# Altium PCB STB_ValidationBoard.PcbDoc (part 2 of 4)
Units mm, origin at the board's own origin, x right, y up, seen from the top; angles counter-clockwise.
Board outline 154 x 150 mm, 4 copper layers (Top Layer, Int1 (Signal), Int2 (GND), Bottom Layer), stack 0.76 mm thick; 235 components, 88 nets, 1220 pads, 302 vias.
Unrouted connection lines stored in the file: 398.
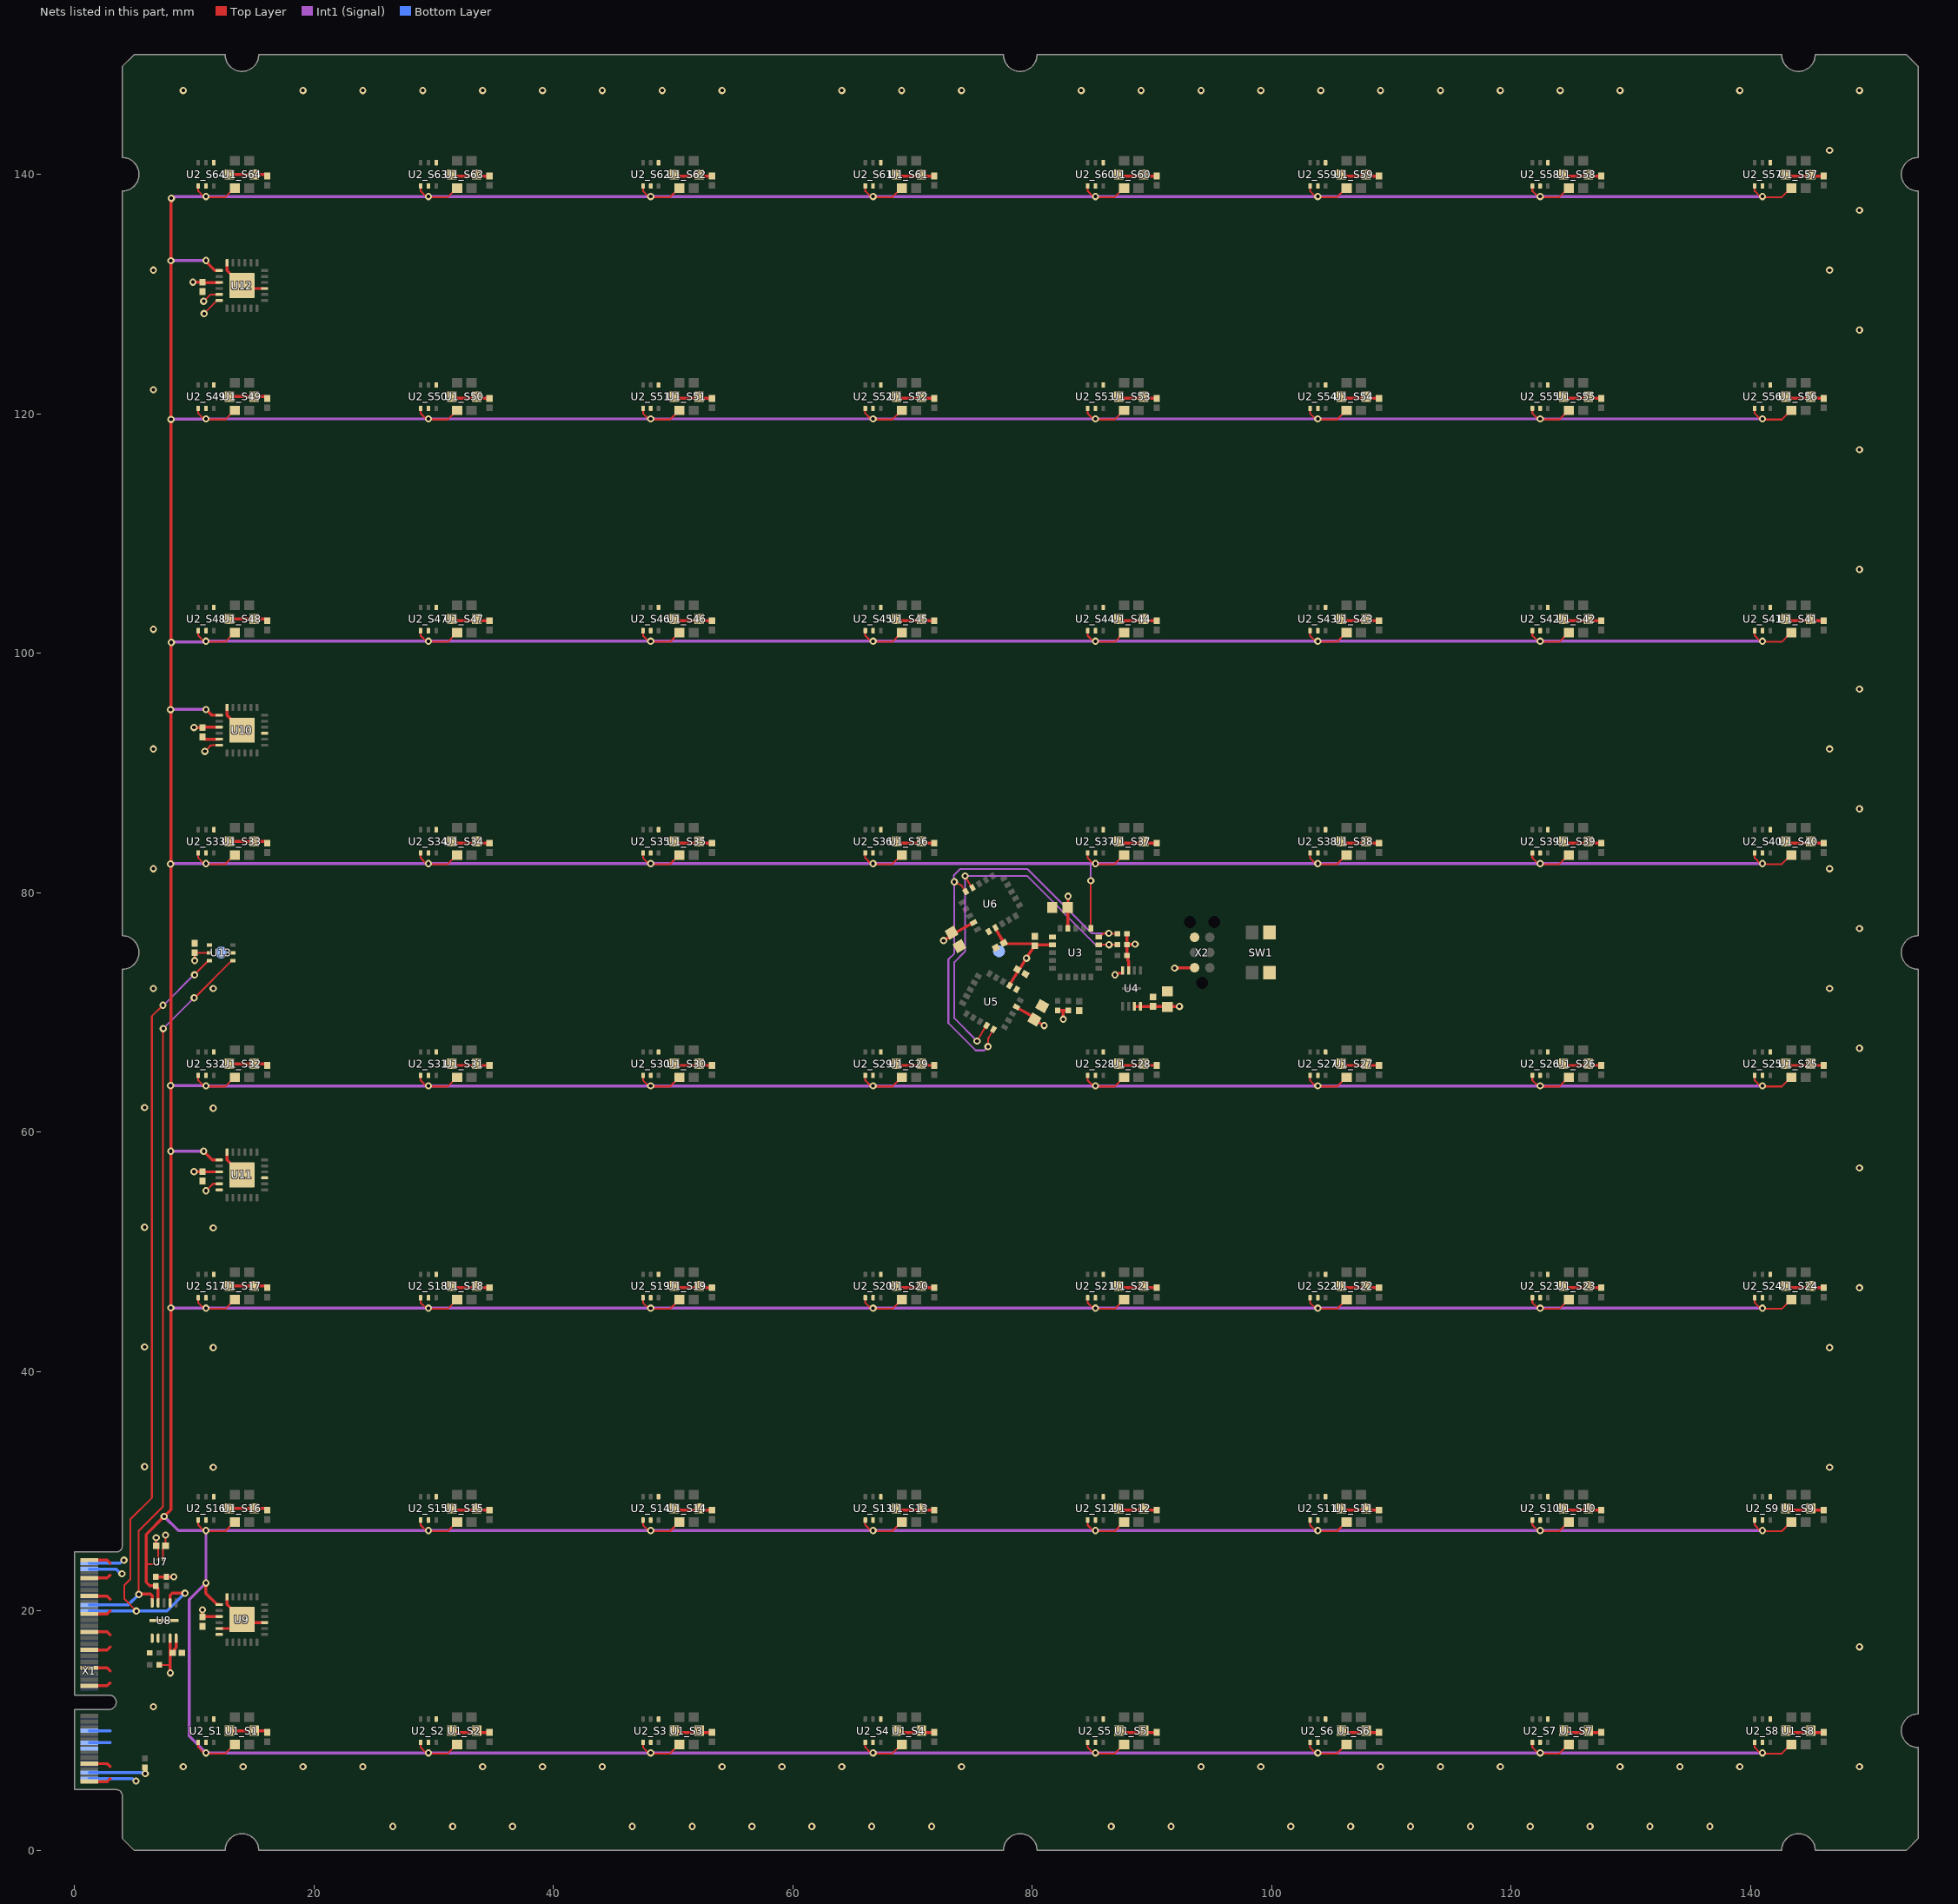
[diagram p4: the nets of this part, all layers, seen from the top]

## Part data
A1: library part CMP-00038-1
C1_S1 C1_S2 C1_S3 C1_S4 C1_S5 C1_S6 C1_S7 C1_S8 C1_S9 C1_S10 C1_S11 C1_S12 C1_S13 C1_S14 C1_S15 C1_S16 C1_S17 C1_S18 C1_S19 C1_S20 C1_S21 C1_S22 C1_S23 C1_S24 C1_S25 C1_S26 C1_S27 C1_S28 C1_S29 C1_S30 C1_S31 C1_S32 C1_S33 C1_S34 C1_S35 C1_S36 C1_S37 C1_S38 C1_S39 C1_S40 C1_S41 C1_S42 C1_S43 C1_S44 C1_S45 C1_S46 C1_S47 C1_S48 C1_S49 C1_S50 C1_S51 C1_S52 C1_S53 C1_S54 C1_S55 C1_S56 C1_S57 C1_S58 C1_S59 C1_S60 C1_S61 C1_S62 C1_S63 C1_S64 C3 C5 C7 C9 C10 C11 C12 C13 C14 C15 C16 C17: library part CMP-2000-05439-1, "Chip Capacitor, 100 nF, +/- 10%, 16 V, -55 to 125 degC, 0402 (1005 Metric), RoHS, Tape and Reel", Capacitor Type=Ceramic, Case Size/Dimension=0402, Dielectric=X7R, Manufacturer="Samsung Electro-Mechanics", Manufacturer Part Number=CL05B104KO5NNNC, Max Operating Temperature=125°C, Min Operating Temperature=-55°C, Negative Tolerance=10%, Package Shape=Rectangular, Package Style=SMTMeter, Rated DC Voltage (URdc)=16V, Supplier Part Number 1=1276-1001-6-ND, Tolerance (%)=±10%, Category="Ceramic Capacitors", ComponentLink1Description=https://datasheet.ciiva.com:443/pdfs/VipMasterIC/IC/SEMS/SEMS-S-A0008384515/SEMS-S-A0008872921-1.pdf?src-supplier=IHS+Markit, ComponentLink1URL=https://datasheet.ciiva.com:443/pdfs/VipMasterIC/IC/SEMS/SEMS-S-A0008384515/SEMS-S-A0008872921-1.pdf?src-supplier=IHS+Markit, ComponentLink2Description=https://datasheet.ciiva.com/26920/getdatasheetpartid-359683-26920169.pdf?src-supplier=Verical, ComponentLink2URL=https://datasheet.ciiva.com/26920/getdatasheetpartid-359683-26920169.pdf?src-supplier=Verical, ComponentLink3Description=https://datasheet.ciiva.com/29198/458718-da-01-en-vs-kondensator-0402-29198423.pdf?src-supplier=Conrad, ComponentLink3URL=https://datasheet.ciiva.com/29198/458718-da-01-en-vs-kondensator-0402-29198423.pdf?src-supplier=Conrad, ComponentLink4Description=https://datasheet.ciiva.com/26309/mlcc-catalogdownload2013-eng-26309003.pdf?src-supplier=Distrelec, ComponentLink4URL=https://datasheet.ciiva.com/26309/mlcc-catalogdownload2013-eng-26309003.pdf?src-supplier=Distrelec, ComponentLink5Description=https://datasheet.ciiva.com/16208/cl05b104kq5nnnc-16208343.pdf?src-supplier=Future+Electronics, ComponentLink5URL=https://datasheet.ciiva.com/16208/cl05b104kq5nnnc-16208343.pdf?src-supplier=Future+Electronics, Datasheet URL=https://datasheet.ciiva.com/29198/458718-da-01-en-vs-kondensator-0402-29198423.pdf, Datasheet Version=Nov-10, Dielectric Material=Ceramic, Height=0.55mm, JESD-609 Code=e3, Length=1mm, Manufacturer URL=http://www.samsungsem.com/global/index.jsp, Mount="Surface Mount", Multilayer=Yes, Number of Pins=2, Packaging="Tape and Reel", Positive Tolerance=10%, Pricing 1="1=0.10000, 10=0.02400, 50=0.01300, 100=0.01050, 500=0.00752, 1000=0.00592, 2500=0.00538, 5000=0.00495 (USD)", Rated Voltage=16V, REACH SVHC=Yes, RoHS=Yes, RoHS Compliant=Yes, Size Code=0402, Stock 1=24854634, Supplier 1=Digi-Key, Temperature Characteristics Code=X7R, Terminal Finish=Nickel, Termination=Wraparound, Width=0.5mm
C2 C4 C6 C8: library part CMP-2006-02298-2, Capacitor Type=Ceramic, Manufacturer=Kemet, Manufacturer Part Number=C0603C105K4RACTU, Max Operating Temperature=125°C, Min Operating Temperature=-55°C, Negative Tolerance=10%, Package Shape=Rectangular, Package Style=SMTMeter, Rated DC Voltage (URdc)=16V, Supplier Part Number 1=399-C0603C105K4RAC7867DKR-ND, Temperature Characteristics Code=X7R, Category="Ceramic Capacitors", ComponentLink1Description=https://datasheet.ciiva.com:443/pdfs/VipMasterIC/IC/KEME/KEME-S-A0008991654/KEME-S-A0008991654-1.pdf?src-supplier=IHS+Markit, ComponentLink1URL=https://datasheet.ciiva.com:443/pdfs/VipMasterIC/IC/KEME/KEME-S-A0008991654/KEME-S-A0008991654-1.pdf?src-supplier=IHS+Markit, Dielectric Material=Ceramic, Height=0.8mm, JESD-609 Code=e3, Length=1.6mm, Mount="Surface Mount", Multilayer=Yes, Number of Pins=2, Packaging="Tape and Reel", Part Number=C0603C105K4RACTU, Positive Tolerance=10%, Pricing 1="1=0.10000, 10=0.07700, 50=0.04180, 100=0.03410, 500=0.02440, 1000=0.01916 (USD)", REACH SVHC=Yes, RoHS=Yes, RoHS Compliant=Yes, Size Code=0603, Stock 1=1549593, Supplier 1=Digi-Key, Terminal Finish=Nickel, Termination=Wraparound, Width=0.8mm
R1 R2 R3 R4 R5: library part CMP-2000-07588-1, "Chip Resistor, 10 KOhm, +/- 1%, 0.1 W, -55 to 155 degC, 0402 (1005 Metric), RoHS, Tape and Reel", Case Code (Imperial)=0402, Case Code (Metric)=1005, Manufacturer=Panasonic, Manufacturer Part Number=ERJ-2RKF1002X, Max Operating Temperature=155degC, Max Power Dissipation=100mW, Min Operating Temperature=-55degC, Package Description="2-Pin Surface Mount Device, Body 1 x 0.5 mm", Package Height=0.35mm, Package Length=1mm, Package Quantity=1, Package Reference=402, Package Shape=Rectangular, Package Style=SMTMeter, Package Width=0.5mm, Rated Temperature=70°C, Resistor Type="FIXED RESISTOR", Supplier Part Number 1=P10.0KLDKR-ND, Temperature Coefficient=100ppm\/degreesC, Tolerance=1%, Voltage Rating=50V, Case\/Package=0402, Category="Chip SMD Resistors", ComponentLink1Description=https://datasheet.ciiva.com:443/pdfs/VipMasterIC/IC/PANA/PANA-S-A0009889626/PANA-S-A0009889626-1.pdf?src-supplier=IHS+Markit, ComponentLink1URL=https://datasheet.ciiva.com:443/pdfs/VipMasterIC/IC/PANA/PANA-S-A0009889626/PANA-S-A0009889626-1.pdf?src-supplier=IHS+Markit, ComponentLink2Description=https://datasheet.ciiva.com/11821/0900766b80f80784-11821171.pdf?src-supplier=RSComponents, ComponentLink2URL=https://datasheet.ciiva.com/11821/0900766b80f80784-11821171.pdf?src-supplier=RSComponents, ComponentLink3Description=https://datasheet.ciiva.com/27055/1987020-27055643.pdf?src-supplier=Jameco, ComponentLink3URL=https://datasheet.ciiva.com/27055/1987020-27055643.pdf?src-supplier=Jameco, ComponentLink4Description=https://datasheet.ciiva.com/43467/1678782-43467402.pdf?src-supplier=Farnell, ComponentLink4URL=https://datasheet.ciiva.com/43467/1678782-43467402.pdf?src-supplier=Farnell, ComponentLink5Description=https://datasheet.ciiva.com/28514/1678782-28514185.pdf?src-supplier=Element14, ComponentLink5URL=https://datasheet.ciiva.com/28514/1678782-28514185.pdf?src-supplier=Element14, ComponentLink6Description=https://datasheet.ciiva.com/24023/aoa0000ce2-24023017.pdf?src-supplier=Mouser, ComponentLink6URL=https://datasheet.ciiva.com/24023/aoa0000ce2-24023017.pdf?src-supplier=Mouser, ComponentLink7Description=https://datasheet.ciiva.com/16782/70260748-16782590.pdf?src-supplier=Allied+Electronics, ComponentLink7URL=https://datasheet.ciiva.com/16782/70260748-16782590.pdf?src-supplier=Allied+Electronics, ComponentLink8Description=https://datasheet.ciiva.com/16786/70260748-16786734.pdf?src-supplier=Allied+Electronics, ComponentLink8URL=https://datasheet.ciiva.com/16786/70260748-16786734.pdf?src-supplier=Allied+Electronics, ComponentLink9Description=https://datasheet.ciiva.com/9194/aoa0000ce2-9194142.pdf?src-supplier=Avnet, ComponentLink9URL=https://datasheet.ciiva.com/9194/aoa0000ce2-9194142.pdf?src-supplier=Avnet, ComponentLink10Description=https://datasheet.ciiva.com/16199/aoa0000ce2-16199478.pdf?src-supplier=Future+Electronics, ComponentLink10URL=https://datasheet.ciiva.com/16199/aoa0000ce2-16199478.pdf?src-supplier=Future+Electronics, ComponentLink11Description=https://datasheet.ciiva.com/48531/aoa0000ce2-48531069.pdf?src-supplier=Avnet, ComponentLink11URL=https://datasheet.ciiva.com/48531/aoa0000ce2-48531069.pdf?src-supplier=Avnet, ComponentLink12Description=https://datasheet.ciiva.com/30201/aoa0000ce2-30201022.pdf?src-supplier=Onlinecomponents.com, ComponentLink12URL=https://datasheet.ciiva.com/30201/aoa0000ce2-30201022.pdf?src-supplier=Onlinecomponents.com, Composition=ThickFilm, Construction=Rectangular, Contact Plating=Tin, Datasheet URL=https://industrial.panasonic.com/cdbs/www-data/pdf/RDA0000/AOA0000C304.pdf, Datasheet Version=02/2017, Depth=0.5mm, Height=0.35mm, JESD-609 Code=e3, Lead Free=LeadFree, Length=1mm, Manufacturer URL=http://www.panasonic.com/, Military Standard=Not, Mount=SurfaceMount, Mounting Technology=SurfaceMount, Number of Pins=2, Number of Terminations=2, Packaging=TapeandReel, Power Rating=100mW, Pricing 1="1=0.10000, 10=0.03300, 100=0.01330, 1000=0.00599, 2500=0.00520, 5000=0.00429 (USD)", Radiation Hardening=No, Rated Power Dissipation (P)=100mW, REACH SVHC=NoSVHC, Reference Standard=AEC-Q200, RoHS=Yes, RoHS Compliant=Yes, RoHSCompliant=True, Size Code=0402, Stock 1=108, Supplier 1=Digi-Key, Technology="METAL GLAZE/THICK FILM", Terminal Finish=Nickel, Termination=SMD/SMT, Voltage Rating (DC)=50V, Width=0.02inch, Working Voltage=50V
R7 R8: library part CMP-1011-00586-2, Manufacturer="Yageo / Phycomp", Manufacturer Part Number=RC0402FR-074K7L, Max Operating Temperature=155°C, Min Operating Temperature=-55°C, Package Height=0.35mm, Package Length=1mm, Package Shape=Rectangular, Package Style=SMTMeter, Package Width=0.5mm, Rated Power Dissipation (P)=62.5mW, Rated Temperature=70°C, Resistor Type="FIXED RESISTOR", Supplier Part Number 1=311-4.7KLRDKR-ND, Temperature Coefficient=100ppm/°C, Tolerance=1%, Working Voltage=50V, Additional Feature="LASER TRIMMABLE", Category="Chip SMD Resistors", ComponentLink1Description=https://datasheet.ciiva.com:443/pdfs/VipMasterIC/IC/YAGO/YAGO-S-A0008145938/YAGO-S-A0008145938-1.pdf?src-supplier=IHS+Markit, ComponentLink1URL=https://datasheet.ciiva.com:443/pdfs/VipMasterIC/IC/YAGO/YAGO-S-A0008145938/YAGO-S-A0008145938-1.pdf?src-supplier=IHS+Markit, ComponentLink2Description=https://datasheet.ciiva.com/22661/1686128-22661342.pdf?src-supplier=Element14, ComponentLink2URL=https://datasheet.ciiva.com/22661/1686128-22661342.pdf?src-supplier=Element14, ComponentLink3Description=https://datasheet.ciiva.com/7850/1018594-7850022.pdf?src-supplier=Element14, ComponentLink3URL=https://datasheet.ciiva.com/7850/1018594-7850022.pdf?src-supplier=Element14, ComponentLink4Description=https://datasheet.ciiva.com/7850/1018594-7850023.pdf?src-supplier=Element14, ComponentLink4URL=https://datasheet.ciiva.com/7850/1018594-7850023.pdf?src-supplier=Element14, ComponentLink5Description=https://datasheet.ciiva.com/15215/getdatasheetpartid-328119-15215035.pdf?src-supplier=Verical, ComponentLink5URL=https://datasheet.ciiva.com/15215/getdatasheetpartid-328119-15215035.pdf?src-supplier=Verical, Construction=Chip, JESD-609 Code=e3, Mount="Surface Mount", Number of Pins=2, Packaging="Tape and Reel", Part Number=RC0402FR-074K7L, Pricing 1="1=0.10000, 10=0.01500, 100=0.00600, 1000=0.00267, 2500=0.00232, 5000=0.00192 (USD)", REACH SVHC=Yes, RoHS=Yes, RoHS Compliant=Yes, Size Code=0402, Stock 1=23638739, Supplier 1=Digi-Key, Technology="METAL GLAZE/THICK FILM", Terminal Finish=Nickel, Termination=Wraparound
R9: library part CMP-2002-01120-1, Manufacturer=Panasonic, Manufacturer Part Number=ERJ-2RKF9763X, Max Operating Temperature=155°C, Min Operating Temperature=-55°C, Package Height=0.35mm, Package Length=1mm, Package Shape=Rectangular, Package Style=SMTMeter, Package Width=0.5mm, Rated Power Dissipation (P)=100mW, Rated Temperature=70°C, Resistor Type="FIXED RESISTOR", Supplier Part Number 1=P976KLDKR-ND, Temperature Coefficient=100ppm/°C, Tolerance=1%, Working Voltage=50V, Category="Chip SMD Resistors", ComponentLink1Description=https://datasheet.ciiva.com:443/pdfs/VipMasterIC/IC/PANA/PANA-S-A0009889626/PANA-S-A0009889626-1.pdf?src-supplier=IHS+Markit, ComponentLink1URL=https://datasheet.ciiva.com:443/pdfs/VipMasterIC/IC/PANA/PANA-S-A0009889626/PANA-S-A0009889626-1.pdf?src-supplier=IHS+Markit, ComponentLink2Description=https://datasheet.ciiva.com/43467/1678782-43467581.pdf?src-supplier=Farnell, ComponentLink2URL=https://datasheet.ciiva.com/43467/1678782-43467581.pdf?src-supplier=Farnell, ComponentLink3Description=https://datasheet.ciiva.com/46372/1678782-46372911.pdf?src-supplier=Element14, ComponentLink3URL=https://datasheet.ciiva.com/46372/1678782-46372911.pdf?src-supplier=Element14, ComponentLink4Description=https://datasheet.ciiva.com/22668/1678782-22668415.pdf?src-supplier=Element14, ComponentLink4URL=https://datasheet.ciiva.com/22668/1678782-22668415.pdf?src-supplier=Element14, ComponentLink5Description=https://datasheet.ciiva.com/16758/70260748-16758903.pdf?src-supplier=Allied+Electronics, ComponentLink5URL=https://datasheet.ciiva.com/16758/70260748-16758903.pdf?src-supplier=Allied+Electronics, ComponentLink6Description=https://datasheet.ciiva.com/9179/aoa0000ce2-9179357.pdf?src-supplier=Avnet, ComponentLink6URL=https://datasheet.ciiva.com/9179/aoa0000ce2-9179357.pdf?src-supplier=Avnet, ComponentLink7Description=https://datasheet.ciiva.com/30176/aoa0000ce2-30176831.pdf?src-supplier=Onlinecomponents.com, ComponentLink7URL=https://datasheet.ciiva.com/30176/aoa0000ce2-30176831.pdf?src-supplier=Onlinecomponents.com, Construction=Rectangular, JESD-609 Code=e3, Mount="Surface Mount", Number of Pins=2, Packaging="Tape and Reel", Part Number=ERJ-2RKF9763X, Pricing 1="1=0.10000, 10=0.03300, 100=0.01330, 1000=0.00599, 2500=0.00520, 5000=0.00429 (USD)", REACH SVHC=Yes, Reference Standard=AEC-Q200, RoHS=Yes, RoHS Compliant=Yes, Size Code=0402, Stock 1=136638, Supplier 1=Digi-Key, Technology="METAL GLAZE/THICK FILM", Terminal Finish=Nickel, Termination=Wraparound
R10: library part CMP-2002-08256-1, Manufacturer="Vishay Dale", Manufacturer Part Number=CRCW0402182KFKED, Max Operating Temperature=155°C, Min Operating Temperature=-55°C, Package Height=0.35mm, Package Length=1mm, Package Shape=Rectangular, Package Style=SMTMeter, Package Width=0.5mm, Rated Power Dissipation (P)=63mW, Rated Temperature=70°C, Resistance=182kR, Resistor Type="FIXED RESISTOR", Supplier Part Number 1=541-182KLDKR-ND, Temperature Coefficient=100ppm/°C, Tolerance=1%, Working Voltage=50V, Category="Chip SMD Resistors", ComponentLink1Description=https://datasheet.ciiva.com:443/pdfs/VipMasterIC/IC/VISH/VISH-S-A0007266705/VISH-S-A0007266705-1.pdf?src-supplier=IHS+Markit, ComponentLink1URL=https://datasheet.ciiva.com:443/pdfs/VipMasterIC/IC/VISH/VISH-S-A0007266705/VISH-S-A0007266705-1.pdf?src-supplier=IHS+Markit, ComponentLink2Description=https://datasheet.ciiva.com/3256/dcrcwe3-3256117.pdf?src-supplier=Avnet, ComponentLink2URL=https://datasheet.ciiva.com/3256/dcrcwe3-3256117.pdf?src-supplier=Avnet, ComponentLink3Description=https://datasheet.ciiva.com/2463/dcrcwe3-2463286.pdf?src-supplier=Digi-Key, ComponentLink3URL=https://datasheet.ciiva.com/2463/dcrcwe3-2463286.pdf?src-supplier=Digi-Key, ComponentLink4Description=https://datasheet.ciiva.com/5545/dcrcwe3-109170-5545910.pdf?src-supplier=Mouser, ComponentLink4URL=https://datasheet.ciiva.com/5545/dcrcwe3-109170-5545910.pdf?src-supplier=Mouser, ComponentLink5Description=https://datasheet.ciiva.com/2463/dcrcwe3-2463287.pdf?src-supplier=Digi-Key, ComponentLink5URL=https://datasheet.ciiva.com/2463/dcrcwe3-2463287.pdf?src-supplier=Digi-Key, ComponentLink6Description=https://datasheet.ciiva.com/7714/1697337-7714183.pdf?src-supplier=Element14, ComponentLink6URL=https://datasheet.ciiva.com/7714/1697337-7714183.pdf?src-supplier=Element14, ComponentLink7Description=https://datasheet.ciiva.com/2463/dcrcwe3-2463288.pdf?src-supplier=Digi-Key, ComponentLink7URL=https://datasheet.ciiva.com/2463/dcrcwe3-2463288.pdf?src-supplier=Digi-Key, ComponentLink8Description=https://datasheet.ciiva.com/16785/70201119-16785993.pdf?src-supplier=Allied+Electronics, ComponentLink8URL=https://datasheet.ciiva.com/16785/70201119-16785993.pdf?src-supplier=Allied+Electronics, ComponentLink9Description=https://datasheet.ciiva.com/7714/1697337-7714365.pdf?src-supplier=Element14, ComponentLink9URL=https://datasheet.ciiva.com/7714/1697337-7714365.pdf?src-supplier=Element14, Construction=Chip, JESD-609 Code=e3, Mount="Surface Mount", Number of Pins=2, Packaging="Tape and Reel", Part Number=CRCW0402182KFKED, Pricing 1="1=0.10000, 10=0.03600, 100=0.01460, 1000=0.00656, 2500=0.00569, 5000=0.00470 (USD)", Reach SVHC Compliant=Yes, Reference Standard=AEC-Q200, RoHS=Yes, RoHS Compliant=Yes, Size Code=0402, Stock 1=76709, Supplier 1=Digi-Key, Technology="METAL GLAZE/THICK FILM", Terminal Finish=Nickel, Termination=Wraparound
R11: library part CMP-2002-07497-1, Manufacturer="Yageo / Phycomp", Manufacturer Part Number=RC0402FR-07200KL, Max Operating Temperature=155°C, Min Operating Temperature=-55°C, Package Height=0.35mm, Package Length=1mm, Package Shape=Rectangular, Package Style=SMTMeter, Package Width=0.5mm, Rated Power Dissipation (P)=62.5mW, Rated Temperature=70°C, Resistor Type="FIXED RESISTOR", Supplier Part Number 1=311-200KLRDKR-ND, Temperature Coefficient=100ppm/°C, Tolerance=1%, Working Voltage=50V, Additional Feature="LASER TRIMMABLE", Category="Chip SMD Resistors", ComponentLink1Description=https://datasheet.ciiva.com:443/pdfs/VipMasterIC/IC/YAGO/YAGO-S-A0008145938/YAGO-S-A0008145938-1.pdf?src-supplier=IHS+Markit, ComponentLink1URL=https://datasheet.ciiva.com:443/pdfs/VipMasterIC/IC/YAGO/YAGO-S-A0008145938/YAGO-S-A0008145938-1.pdf?src-supplier=IHS+Markit, ComponentLink2Description=https://datasheet.ciiva.com/7849/1018594-7849897.pdf?src-supplier=Element14, ComponentLink2URL=https://datasheet.ciiva.com/7849/1018594-7849897.pdf?src-supplier=Element14, ComponentLink3Description=https://datasheet.ciiva.com/7849/1018594-7849896.pdf?src-supplier=Element14, ComponentLink3URL=https://datasheet.ciiva.com/7849/1018594-7849896.pdf?src-supplier=Element14, ComponentLink4Description=https://datasheet.ciiva.com/46394/1018594-46394953.pdf?src-supplier=Element14, ComponentLink4URL=https://datasheet.ciiva.com/46394/1018594-46394953.pdf?src-supplier=Element14, ComponentLink5Description=https://datasheet.ciiva.com/2453/pyu-r-int-thick-7-2453557.pdf?src-supplier=Digi-Key, ComponentLink5URL=https://datasheet.ciiva.com/2453/pyu-r-int-thick-7-2453557.pdf?src-supplier=Digi-Key, ComponentLink6Description=https://datasheet.ciiva.com/2453/pyu-r-int-thick-7-2453558.pdf?src-supplier=Digi-Key, ComponentLink6URL=https://datasheet.ciiva.com/2453/pyu-r-int-thick-7-2453558.pdf?src-supplier=Digi-Key, ComponentLink7Description=https://datasheet.ciiva.com/2453/pyu-r-int-thick-7-2453556.pdf?src-supplier=Digi-Key, ComponentLink7URL=https://datasheet.ciiva.com/2453/pyu-r-int-thick-7-2453556.pdf?src-supplier=Digi-Key, ComponentLink8Description=https://datasheet.ciiva.com/12667/pyu-rc0402-51-rohs-l-6-r-12667911.pdf?src-supplier=Mouser, ComponentLink8URL=https://datasheet.ciiva.com/12667/pyu-rc0402-51-rohs-l-6-r-12667911.pdf?src-supplier=Mouser, ComponentLink9Description=https://datasheet.ciiva.com/15189/getdatasheetpartid-323720-15189381.pdf?src-supplier=Verical, ComponentLink9URL=https://datasheet.ciiva.com/15189/getdatasheetpartid-323720-15189381.pdf?src-supplier=Verical, ComponentLink10Description=https://datasheet.ciiva.com/16740/pyu-rc0402-51-rohs-l-6-r-16740636.pdf?src-supplier=Future+Electronics, ComponentLink10URL=https://datasheet.ciiva.com/16740/pyu-rc0402-51-rohs-l-6-r-16740636.pdf?src-supplier=Future+Electronics, Construction=Chip, JESD-609 Code=e3, Mount="Surface Mount", Number of Pins=2, Packaging="Tape and Reel", Part Number=RC0402FR-07200KL, Pricing 1="1=0.10000, 10=0.01500, 100=0.00600, 1000=0.00267, 2500=0.00232, 5000=0.00192 (USD)", REACH SVHC=Yes, RoHS=Yes, RoHS Compliant=Yes, Size Code=0402, Stock 1=2033311, Supplier 1=Digi-Key, Technology="METAL GLAZE/THICK FILM", Terminal Finish=Nickel, Termination=Wraparound
SW1: library part CMP-2000-06231-1, "Light Touch Switch, 100 mOhm, -40 to 85 degC, 4-Pin SMD, RoHS, Tape and Reel", Actuator Color=Black, Contact Current(DC)-Max=20mA, Contact DC Max Rating R Load=.02A@15VDC, Contact Rating @ Voltage=0.02@15VDCA, Contact Resistance=0.1mR, Contact Voltage(DC)-Max=15V, Dielectric Strength=250VAC, Dielectric Withstand Volts=250VACV, Insulation Resistance=100MR, Manufacturer=Panasonic, Manufacturer Part Number=EVP-AA002K, Manufacturer Series=EVPAA, Max Operating Temperature=85°C, Maximum AC Voltage Rating=N/A, Maximum Contact Resistance=100mOhm, Min Operating Temperature=-40°C, Minimum Insulation Resistance=100MOhm, Operating Force=1N, Operating Temperature=-40to85C, Package Description="4-Pin Surface Mount Device, Body 2.9 x 3.5 mm, Pitch 1.45 mm", Supplier Part Number 1=P13347SDKR-ND, Actuator Angle=0°, Actuator Length=0.3mm, Actuator Style=RectangularButton, Actuator Travel=0.127mm, Actuator Type=Pushbutton, Base Material=N/A, Body Breadth=2.9inch, Body Color=Black, Body Height=1.4mm, Body Length or Diameter=3.5mm, Body Orientation=Straight, Category="Tactile Switches", Circuit Configuration=1X1, ComponentLink1Description=https://datasheet.ciiva.com:443/pdfs/VipMasterIC/IC/PANA/PANA-S-A0001791376/PANA-S-A0001791376-1.pdf?src-supplier=IHS+Markit, ComponentLink1URL=https://datasheet.ciiva.com:443/pdfs/VipMasterIC/IC/PANA/PANA-S-A0001791376/PANA-S-A0001791376-1.pdf?src-supplier=IHS+Markit, ComponentLink2Description=https://datasheet.ciiva.com/24076/atk0000pe184-69004-24076293.pdf?src-supplier=Mouser, ComponentLink2URL=https://datasheet.ciiva.com/24076/atk0000pe184-69004-24076293.pdf?src-supplier=Mouser, ComponentLink3Description=https://datasheet.ciiva.com/30108/atk0000ce26-30108515.pdf?src-supplier=Onlinecomponents.com, ComponentLink3URL=https://datasheet.ciiva.com/30108/atk0000ce26-30108515.pdf?src-supplier=Onlinecomponents.com, ComponentLink4Description=https://datasheet.ciiva.com/17016/70270676-17016874.pdf?src-supplier=Allied+Electronics, ComponentLink4URL=https://datasheet.ciiva.com/17016/70270676-17016874.pdf?src-supplier=Allied+Electronics, ComponentLink5Description=https://datasheet.ciiva.com/16395/atk0000ce26-16395244.pdf?src-supplier=Future+Electronics, ComponentLink5URL=https://datasheet.ciiva.com/16395/atk0000ce26-16395244.pdf?src-supplier=Future+Electronics, ComponentLink6Description=https://datasheet.ciiva.com/2899/atk0000ce26-2899991.pdf?src-supplier=Digi-Key, ComponentLink6URL=https://datasheet.ciiva.com/2899/atk0000ce26-2899991.pdf?src-supplier=Digi-Key, ComponentLink7Description=https://datasheet.ciiva.com/2899/atk0000ce26-2899992.pdf?src-supplier=Digi-Key, ComponentLink7URL=https://datasheet.ciiva.com/2899/atk0000ce26-2899992.pdf?src-supplier=Digi-Key, ComponentLink8Description=https://datasheet.ciiva.com/2899/atk0000ce26-2899990.pdf?src-supplier=Digi-Key, ComponentLink8URL=https://datasheet.ciiva.com/2899/atk0000ce26-2899990.pdf?src-supplier=Digi-Key, Contact Bounce Time-Max=10ms, Contact Function=OFF-(ON), Contact Material=N/A, Contact Plating=N/A, Contact Timing="SNAP ACTION", COO=JP, Datasheet URL=https://industrial.panasonic.com/cdbs/www-data/pdf/ATV0000/ATV0000C1.pdf, Datasheet Version=04/2016, Dimension=4.3x2.9x1.7mm, ECCN=EAR99, Electrical Life=1000000Cycles, Family=EVPAA, Ground Terminal=No, Housing Material=N/A, HTS=8507204000, Illumination Type=N/R, Manufacturer URL=http://www.panasonic.com/, Maximum DC Voltage Rating=15V, Mechanical Life=N/A, Mount="Surface Mount", Mounting=SurfaceMount,J-Bend, Mounting Technology=SurfaceMount, Number of Switches=1, Operating Force-Max=1N, Package Reference=EVPAA, Packaging=EmbossedTapeandReel, Part No=EVP-AA002K, Pole Throw Configuration=SPST, Pricing 1="1=0.87000, 10=0.83400, 25=0.80200, 100=0.69610, 250=0.63516, 500=0.59026, 1000=0.52930, 2500=0.49722 (USD)", Product Weight=N/A, REACH SVHC=Yes, RoHS=Yes, RoHS Compliant=Yes, Seal Description=N/A, Seal Location=N/A, Sealing=MOLDED, Stock 1=2300, Supplier=PanasonicIndustrialDevices, Supplier 1=Digi-Key, Supplier Standard Pack=5,000, Switch Action=MOMENTARY, Switch Configuration=N.O., Switch Function=SPST, Switch Type=Keypad, Termination=Solder, Type=LightTouch
TP1 TP2: "testPoint 1mm"
U1_S1 U1_S2 U1_S3 U1_S4 U1_S5 U1_S6 U1_S7 U1_S8 U1_S9 U1_S10 U1_S11 U1_S12 U1_S13 U1_S14 U1_S15 U1_S16 U1_S17 U1_S18 U1_S19 U1_S20 U1_S21 U1_S22 U1_S23 U1_S24 U1_S25 U1_S26 U1_S27 U1_S28 U1_S29 U1_S30 U1_S31 U1_S32 U1_S33 U1_S34 U1_S35 U1_S36 U1_S37 U1_S38 U1_S39 U1_S40 U1_S41 U1_S42 U1_S43 U1_S44 U1_S45 U1_S46 U1_S47 U1_S48 U1_S49 U1_S50 U1_S51 U1_S52 U1_S53 U1_S54 U1_S55 U1_S56 U1_S57 U1_S58 U1_S59 U1_S60 U1_S61 U1_S62 U1_S63 U1_S64: library part CMP-02054-1, "Ambient Light Sensor, I²C 6-SMD, No Lead", Manufacturer=Vishay, Mfr="Vishay Semiconductor Opto Division", Operating Temperature="-40°C ~ 110°C (TA)", Package / Case="6-SMD, No Lead", Supplier Device Package=6-SMD, Supplier Part Number 1=3765835, Voltage - Supply="2.5V ~ 3.6V", Category=Uncategorized, Manufacturer Part Number=VEML60311X00, Mounting Type="Surface Mount", Output Type=I²C, Pricing 1="1=3.35000, 10=2.44000, 25=2.28000, 50=2.16000 (GBP)", Proximity Detection=Yes, RoHS=No, Series=-, Stock 1=2982, Supplier 1=Farnell, Type=Ambient, Wavelength=-
U2_S1 U2_S2 U2_S3 U2_S4 U2_S5 U2_S6 U2_S7 U2_S8 U2_S9 U2_S10 U2_S11 U2_S12 U2_S13 U2_S14 U2_S15 U2_S16 U2_S17 U2_S18 U2_S19 U2_S20 U2_S21 U2_S22 U2_S23 U2_S24 U2_S25 U2_S26 U2_S27 U2_S28 U2_S29 U2_S30 U2_S31 U2_S32 U2_S33 U2_S34 U2_S35 U2_S36 U2_S37 U2_S38 U2_S39 U2_S40 U2_S41 U2_S42 U2_S43 U2_S44 U2_S45 U2_S46 U2_S47 U2_S48 U2_S49 U2_S50 U2_S51 U2_S52 U2_S53 U2_S54 U2_S55 U2_S56 U2_S57 U2_S58 U2_S59 U2_S60 U2_S61 U2_S62 U2_S63 U2_S64 U13: library part CMP-04948-000013-1, "SENSOR DIGITAL -55C-125C 6WSON", Ambient Temperature Range High=+150°C, Ambient Temperature Range Low=-55°C, Manufacturer="Texas Instruments", Max Operating Temperature=150°C, Max Supply Voltage=5.5V, Min Supply Voltage=1.9V, Operating Supply Current=3.5-135uA, Package=DRV0006B, Package Shape/Style=Square, Supplier Part Number 1=296-48306-6-ND, Temperature="-55°C to +125°C", Temperature Range High=+125°C, Accuracy-Max (Cel)=0.5°C, Automotive=No, Body Breadth=2inch, Body Height=0.8mm, Body Length or Diameter=2mm, Category=IC, ComponentLink1Description=https://www.ti.com:443/lit/ds/symlink/tmp116.pdf?src-supplier=IHS+Markit, ComponentLink1URL=https://www.ti.com:443/lit/ds/symlink/tmp116.pdf?src-supplier=IHS+Markit, ComponentLink2Description=Datasheet, ComponentLink2URL=https://www.ti.com/lit/ds/symlink/tmp116.pdf, ComponentLink3Description=http://www.ti.com/lit/ds/symlink/tmp116.pdf?src-supplier=Digi-Key, ComponentLink3URL=http://www.ti.com/lit/ds/symlink/tmp116.pdf?src-supplier=Digi-Key, Device Class L1=Sensors, Device Class L2="Temperature and Humidity Sensors", Device Class L3=unset, Digikey Description="SENSOR DIGITAL -55C-125C 6WSON", Height=0.8mm, Housing Material=Plastic, Interface=I2C,SMBus, Ipc Land Pattern Name=DFN200X200X80-6, JESD-609 Code=e4, Lead Free=Yes, Manufacturer Part Number=TMP116NAIDRVR, Max Junction Temp=+150°C, Min Operating Temperature=-55°C, Mount="Surface Mount", Mouser Description="±0.2°C Accurate Digital Temperature Sensor With NV Memory 6-WSON -55 to 125", Number of Bits=16, Octopart=https://octopart.com/tmp116naidrvr-texas+instruments-82367758, Output Interface Type=2-Wire, Pricing 1="1=2.48000, 10=2.22500, 25=2.09880, 100=1.78820, 250=1.67904, 500=1.46916, 1000=1.26720 (USD)", REACH SVHC=Yes, Resolution=16bits, RoHS=TRUE, RoHS Compliant=Yes, Sensor Output=I2C,SMBus, Sensors/Transducers Type="TEMPERATURE SENSOR,SWITCH/DIGITAL OUTPUT,SERIAL", Standoff Height=0mm, Stock 1=6627, Supplier 1=Digi-Key, Temperature Range Low=-55°C, Terminal Finish=Nickel, Termination=Solder
  U2_S1 U2_S2 U2_S3 U2_S4 U2_S5 U2_S6 U2_S7 U2_S8 U2_S9 U2_S10 U2_S11 U2_S12 U2_S13 U2_S14 U2_S15 U2_S16 U2_S17 U2_S18 U2_S19 U2_S20 U2_S21 U2_S22 U2_S23 U2_S24 U2_S25 U2_S26 U2_S27 U2_S28 U2_S29 U2_S30 U2_S31 U2_S32 U2_S33 U2_S34 U2_S35 U2_S36 U2_S37 U2_S38 U2_S39 U2_S40 U2_S41 U2_S42 U2_S43 U2_S44 U2_S45 U2_S46 U2_S47 U2_S48 U2_S49 U2_S50 U2_S51 U2_S52 U2_S53 U2_S54 U2_S55 U2_S56 U2_S57 U2_S58 U2_S59 U2_S60 U2_S61 U2_S62 U2_S63 U2_S64: Address=0b1001010
  U13: Address=0b1001000
U3: library part CMP-22831-000005-1, "AS72651-BLGT LGA20 LF T&RDP", Case/Package=SMD/SMT, Frequency=50MHz, Frequency Stability=25ppm, Manufacturer=ams, Max Operating Temperature=85°C, Max Supply Current=8mA, Min Operating Temperature=-40°C, Supplier Part Number 1=AS72651-BLGTDKR-ND, Address=0b1001011, Category="LED Drivers", ComponentLink1Description=https://ams.com/documents/20143/36005/AS7265x_DS000612_1-00.pdf?src-supplier=Digi-Key, ComponentLink1URL=https://ams.com/documents/20143/36005/AS7265x_DS000612_1-00.pdf?src-supplier=Digi-Key, Manufacturer Part Number=AS72651-BLGT, Mount="Surface Mount", Number of Pins=20, Packaging="Tape and Reel", RoHS=No, Supplier 1=Digi-Key